# Altium PCB Master Board.PcbDoc (continued)
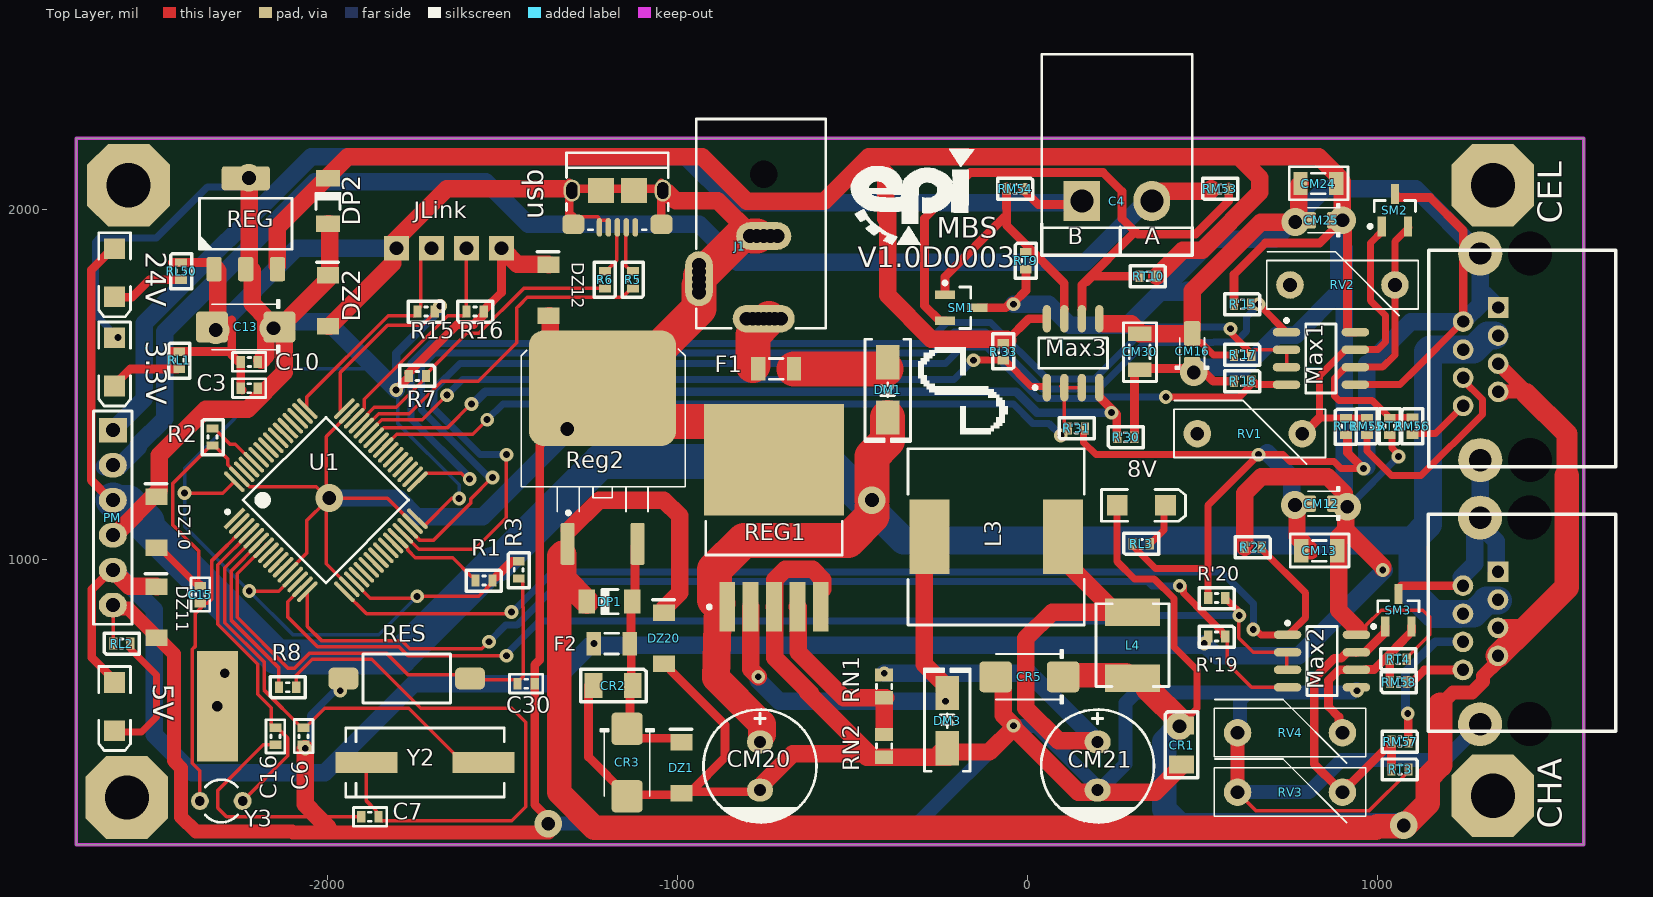
[diagram p0: Top Layer view]
## Footprints (in the part's own frame and the unit in brackets; to place one, negate y for a bottom-side part, rotate by r counter-clockwise, add the part's x,y. Pads: shape width x height; smd on the part's side, far side on the other; paste and mask are expansions set on the pad) (continued)
  oval 2x4.5 hole 1: 1(14.5,0)
  oval 2x4 hole 1: 2(8.5,0)
  oval 4x2 hole 1: 3(11.6,-4.7)
  round 1.9 hole 2: MH(4,0)
  silkscreen extent 0,-4.9 15.2,4.5, body extent 0,-4.9 15.2,4.5, height 11
"RES 0603 (1608X06L)" [mm] "Chip Resistor, 2-Leads, Body 1.6x0.8mm, IPC High Density _ (0.063W)"
  rect 0.6x0.85 smd: 1(0,0) 2(1.244,0)
  silkscreen extent -0.64,-0.76 1.91,0.76, body extent -0.14,-0.38 1.38,0.38, height 0.45
"RES 0805 (2012X06L)" [mm]
  rect 0.95x1.3 smd: 1(0,0) 2(1.65,0)
  silkscreen extent 0.67,-0.55 0.97,0.55, body extent -0.19,-0.63 1.84,0.64, height 0.6
SMD_CAP_0603 [mm]
  rect 0.6x0.85 smd: 1(-0.622,0) 2(0.622,0)
  silkscreen extent -1.21,-0.67 1.2,0.68, body extent -0.76,-0.38 0.76,0.38, height 0.6
SMD_CAP_1206 [mm]
  rect 1.05x1.7 smd: 1(0,0) 2(2.596,0)
  silkscreen extent -0.85,-1.22 3.41,1.18, body extent -0.22,-0.77 2.82,0.75, height 0.75
SO8_NARROW_N [mm]
  oval 2x0.6 smd: 1(-2.5,1.905) 2(-2.5,0.635) 3(-2.5,-0.635) 4(-2.5,-1.905) 5(2.5,-1.905) 6(2.5,-0.635) 7(2.5,0.635) 8(2.5,1.905)
  silkscreen extent -2.62,-2.5 1.1,2.88, body extent -3.12,-2.39 3.07,2.44, height 1.7
SOT23_BEC_M [mm] "SOT23, 3-Leads, Body 2.9x1.3mm, Pitch 0.95mm, Lead Span 2.4mm, IPC Low Density"
  rect 1.45x0.6 smd: 1(-1.175,0.95) 2(-1.175,-0.95) 3(1.175,0)
  silkscreen extent -1.3,-1.5 0.7,1.92, body extent -1.23,-1.45 1.07,1.45, height 1
SOT223 [mm] "SOT223 /SC-73"
  round 1 on Mech15: 0(0,0)
  rrect25% 1.75x1.1 smd: 1(-3.3,2.3) 2(-3.3,0) 3(-3.3,-2.3)
  rrect25% 1.75x3.5 smd: 4(3.3,0)
  silkscreen extent -1.85,-3.35 1.85,3.35, body extent -3.65,-3.35 3.65,3.35, height 1.8
"TE FSMSMTR" [mm]
  rrect50% 1.6x2.19 smd: 1(0,4.595) 2(0,-4.595)
  silkscreen extent -1.78,-3.17 1.78,3.17, body extent -1.75,-4.98 1.75,4.98, height 4.42
TO-263-5 [mm]
  rect 3.6x1.15 smd: 1(-6.45,3.4) 2(-6.45,1.7) 3(-6.45,0) 4(-6.45,-1.7) 5(-6.45,-3.4)
  rect 8.1x10.15 smd paste-5: 6(4.2,0)
  silkscreen extent -6.6,-4.95 -0.25,4.95, body extent -7.31,-5.08 7.33,5.08, height 4.57
"Varistor Short Hieght - Vertical" [mm]
  round 2 hole 1: 1(3.81,0) 2(-3.81,0)
  silkscreen extent -5.5,-2.41 5.5,2.22, body extent -5.5,-1.78 5.5,1.74, height 12
"XTAL RTC - Right" [mm]
  round 1.3 hole 0.7: 1(0,1.55) 2(0,-1.55)
  rect 8x3 hole 0.762 unplated: 3(6.878,0.276)
  silkscreen extent -1.55,-1.19 1.55,1.17, body extent -0.54,-1.44 10.23,2.01, height 3.1

## Part data
3.3V 5V 8V 24V: library part LED, "Chip LED"
C3 C10: library part Cap-Bipolar, "Bipolar Capacitor", Voltage=35V, Price=2800
C4: "Header, 2-Pin", LatestRevisionDate=17-Jul-2002, LatestRevisionNote="Re-released for DXP Platform.", Publisher="Altium Limited", system=connector
C6 C7 C15 C16 C30 CM13 CM24 CM30: library part Cap-Bipolar, "Bipolar Capacitor", Voltage=100V
  C6 C7: ComponentLink1Description="Buy Link", ComponentLink1URL=http://nikushop.com/index.php?id_product=9033&controller=product, Price=902
  C15 C16: ComponentLink1Description="Buy Link", ComponentLink1URL=http://nikushop.com/index.php?id_product=9021&controller=product&search_query=10PF-0603&results=1, Price=1173
  C30: ComponentLink1Description="Buy Link", ComponentLink1URL=http://nikushop.com/index.php?id_product=13570&controller=product&search_query=1uF-0603&results=1, Price=2346
  CM13 CM24 CM30: Adding Date=1387/12/20, Designer="Saeid Jorablo", Organazation=ControTec
C13: library part Cap-Polar, "Polar Capacitor", Voltage=6V, Price=0
CM12 CM16 CM25 CR3 CR5: library part Cap-Polar, "Polar Capacitor", Voltage=16V, Adding Date=1387/12/20, Designer="Saeid Jorablo", Organazation=ControTec
CM20: library part Cap-Polar, "Polar Capacitor", Voltage=63V, Adding Date=1387/12/20, Designer="Saeid Jorablo", Organazation=ControTec
CM21: library part Cap-Polar, "Polar Capacitor", Voltage=25V, Adding Date=1387/12/20, Designer="Saeid Jorablo", Organazation=ControTec
CR1 CR2: library part Cap-Bipolar, "Bipolar Capacitor", Voltage=50V, Price=753
DM1 DM3 DP1 DP2: library part "Diode 1N4148", "High Conductance Fast Diode", Code_JEDEC=DO-204-AH, ComponentLink1Description="Manufacturer Link", ComponentLink1URL=http://www.fairchildsemi.com/, ComponentLink2Description=Datasheet, ComponentLink2URL=http://www.fairchildsemi.com/ds/1N%2F1N4148.pdf, DatasheetVersion=1997, LatestRevisionDate=17-Jul-2002, LatestRevisionNote="Re-released for DXP Platform.", PackageDescription="Diode, Axial; Body 3.8 x 1.9 mm (LxDia. max), Lead Dia. 0.53 mm (max)", PackageReference=DO-35, Published=8-Jun-2000, Publisher="Altium Limited"
DZ1 DZ2 DZ10 DZ11 DZ12 DZ20: library part "D Zener", "Zener Diode", Voltage=5.1, Price=1840
F1 F2: library part "Fuse 2", "Fuse", Current=0.5A, LatestRevisionDate=17-Jul-2002, LatestRevisionNote="Re-released for DXP Platform.", PackageDescription="Thru-Hole; 2 Leads", PackageReference=PIN-W2/E2.8, Published=8-Jun-2000, Publisher="Altium Limited"
JLink: library part "Header 1*4"
Max1 Max2 Max3: library part MAX485CPA, Price=14700
PM: "Header, 6-Pin", LatestRevisionDate=17-Jul-2002, LatestRevisionNote="Re-released for DXP Platform.", Publisher="Altium Limited"
R1 R2 R3 R5 R6 R7 R15 R16: library part Resistor, "Resistor", ComponentLink1Description="Buy Link"
  R1 R2 R3 R15 R16: ComponentLink1URL=http://www.roboeq.ir/products/detail/%D9%85%D9%82%D8%A7%D9%88%D9%85%D8%AA%2010%20%DA%A9%DB%8C%D9%84%D9%88%20%D8%A7%D9%87%D9%85%20SMD%200603/, Price=394
  R5 R6: ComponentLink1URL="20R Resistor R5, R6 RES 0603 (1608X06L) Resistor 2 276 552 http://nikushop.com/index.php?id_product=13587&controller=product", Price=276
  R7: ComponentLink1URL=http://kaelectronic.ir/index.php?route=product/product&product_id=6863&search=15kohm+0603, Price=597
R8 R'15 R'17 R'18 R'19 R'20 R'22 R'30 R'31 R'33 RL1 RL2 RL3 RL50 RM53 RM54 RM55 RM56 RM57 RM58 RN1 RN2 RT1 RT2 RT3 RT4 RT9 RT10: library part Resistor, "Resistor", Power=1/4W
  R'15 R'17 R'18 R'19 R'20 R'22 R'30 R'31 R'33 RM53 RM54 RM55 RM56 RM57 RM58 RT1 RT2 RT3 RT4 RT9 RT10: Price=394
  RN1: Price=506
  RN2: Price=680
REG: library part REG1117A-2.5/2K5, ")", ComponentLink1Description="Manufacturer URL", ComponentLink1URL=http://www.ti.com/, ComponentLink2Description=Datasheet, ComponentLink2URL=http://www.ti.com/general/docs/lit/getliterature.tsp?genericPartNumber=REG1117A-25&fileType=pdf, ComponentLink3Description="Package Specification", ComponentLink3URL=http://www.ti.com/litv/pdf/mpds094a, Price=4200
REG1: library part LM2596, Price=5700
Reg2: "Voltage Regulator IC, D2PAK SMD, L7805", Manufacturer 1="ON Semiconductor", Package / Case=D2PAK, Ratings="40V; 1.5A", Supplier Part Number 1=LM317D2TGOS-ND, Tolerance=0.04%, Voltage Regulator Type="Adjustable Positive Linear", Manufacturer Part Number 1=L7805, SCDType=spec*, Supplier 1=Digi-Key
RES: library part "SPST-NO 2 PIN", ComponentLink1Description="Buy Link", ComponentLink1URL=https://eshop.eca.ir/%D8%AA%DA%A9-%D8%B3%D9%88%D8%A6%DB%8C%DA%86/6472-%D8%AA%DA%A9-%D8%B3%D9%88%D8%A6%DB%8C%DA%86-smd-%D8%B3%D8%A7%DB%8C%D8%B2-3x6x25-%D8%B2%D8%B1%D8%AF-%D8%A8%D8%B3%D8%AA%D9%87-10-%D8%AA%D8%A7%DB%8C%DB%8C.html, Price=1900
RV1 RV2 RV3 RV4: library part "Res Varistor", "Varistor (Voltage-Sensitive Resistor)", Code_IPC=RESC2012, LatestRevisionDate=29-May-2009, LatestRevisionNote="IPC-7351 Footprint Added.", PackageDescription="Chip Resistor 0805 Case Size", PackageReference=6-0805, PackageVersion=Mar-2003, Published=24-Mar-1999, Publisher="Altium Limited"
U1: library part STM32F101R6T6, "STM32 ARM-based 32-bit MCU with 32 Kbytes Flash, 64-pin LQFP, Industrial Temperature", ComponentLink1Description=datasheet, ComponentLink1URL=https://www.st.com/resource/en/datasheet/cd00191185.pdf, ComponentLink2Description="Buy Link", ComponentLink2URL=http://lionelectronic.ir/content/stm32f103ret6, Price=245000
usb: library part "USB 2.0 Type B Micro", ComponentLink1Description="Buy Link", ComponentLink1URL=http://nikushop.com/index.php?id_product=11066&controller=product, Price=14934
Y2 Y3: library part XTAL, "XTAL Crystal"
  Y2: Price=20000
  Y3: ComponentLink1Description="Buy Link", ComponentLink1URL=http://www.roboeq.ir/products/detail/%DA%A9%D8%B1%DB%8C%D8%B3%D8%AA%D8%A7%D9%84%2032.768%20%DA%A9%DB%8C%D9%84%D9%88%D9%87%D8%B1%D8%AA%D8%B2/, Price=5900
J1: Adding Date=10/21/2009, Company=Personal, Designer="Saeid Jorablo", Project Name=Laser
L3 L4: Code_IEC=1005, Code_JEITA=0402, LatestRevisionDate=29-May-2009, LatestRevisionNote="IPC-7351 Footprint Added.", PackageDescription="Chip Inductor", PackageReference=0402-A, Published=8-Jun-2000, Publisher="Altium Limited"

## Free pads (board coordinates)
  oct 236.22x236.22 hole 125.98: 0(-2575,320) 0(-2570,2070) 0(1330,325) 0(1330,2070)

## Via types
v1: diameter 39.37, hole 19.68, Top Layer to Bottom Layer, 40 vias
v2: diameter 78.74, hole 39.37, Top Layer to Bottom Layer, 14 vias
v3: diameter 50, hole 28, Top Layer to Bottom Layer, 1 vias

## Nets (pads, with @x,y where several pads share a name; then routed paths per layer and width w, separated by ;. In a path a pad name is that pad's centre, name@x,y a point inside that pad or via, vN(x,y) a via of type N, cw(c..) or ccw(c..) an arc to the next point about the centre after c; other vN are vias at no path point)
3.3v: 3.3V.1 C3.2 C10.2 C13.1 DP2.1 DZ2.2 DZ10.2 DZ12.2 JLink.4 PM.4 R1.1 R3.1 R7.2 R15.1 R16.2 REG.2 REG.4 U1.13 U1.19 U1.32 U1.48 U1.64 | length 7557.3
  Top Layer w10: v1(-2410,1190) -2300.48,1190 U1.64 ; v1@-2220,910 -2141.12,910 -2101.05,950.07 U1.13 ; U1.48@-1965,1425 -1965,1534.72 -1829.72,1670 -1730,1670 -1701.81,1698.19 -1701.81,1703.19 R15.1@-1695,1710 ; U1.19 -1879.02,890 v1@-1730,890 ; v1(-1745,895) -1569.49,895 R1.1@-1526.95,937.54 ; U1.32 -1724.68,1097.57 -1723.5,1097.57 -1646.07,1175 v1(-1625,1175)
  Top Layer w25: v1@-1804.92,1489.92 -1800.53,1489.92 R7.2@-1768.99,1521.46 ; R7.2@-1770,1532.36 -1630.47,1671.89 -1583.79,1671.89 -1571.85,1683.82 -1571.18,1683.82 -1555.05,1699.95 R16.2 ; R16.2@-1554.36,1713.22 -1504.13,1763.45 JLink.4@-1504.13,1885 ; R1.1@-1520,950 -1475,995 R3.1
  Top Layer w50: PM.4 -2610,1070 -2482.21,1197.79 -2482.21,1297.82 -2350.03,1430 -2230,1430 -2125,1535 C13.1@-2125,1625 ; REG.2@-2225,1815 -2225,2084.92 REG.4@-2220,2089.92 ; REG.2@-2220,1830.08 -2216.65,1826.73 -2216.65,1730.71 C13.1@-2175,1689.06 ; C10.2@-2190,1570 -2177.87,1582.13 C13.1@-2177.87,1677.87 ; C13.1@-2136.57,1665 -2000,1801.57 DZ2.2@-2000,1805 ; DP2.1 -1996.38,1960.04 -1995,1958.66 DZ2.2@-1995,1825 ; JLink.4@-1510,1885 -1504.13,1885 -1499.13,1885 -1458.34,1844.21 -1370.88,1844.21 DZ12.2
  Bottom Layer w10: v1(-1745,895) -1855,785 -2100,785 v1(-2225,910) -2410,1095 v1(-2410,1190) -2410,1260 -2125,1545 -1870,1545 -1800,1475 -1800,1388.95 -1625,1213.95 v1(-1625,1175)
  Bottom Layer w20: v1@-2590,1625 v1(-2600,1635) -2665,1700 -2665,1908.28 -2653.28,1920 -2490,1920 -2345,2065 -2240,2065 v2@-2215,2090
  Bottom Layer w25: v1(-1805,1485) -1805,1589.13 v1@-1674.56,1719.56
  Bottom Layer w50: v2@-2170,1680 -2000,1680 v1(-1805,1485)
  other v1: -1680,1725
  other v2: -2156.08,1661.08 -2226.08,2091.08
8V: 8V.1 CEL.5 CEL.7 CHA.5 CHA.7 CR1.1 CR5.1 DP1.2 DZ20.2 L4.2 Reg2.1 | length 7807.9
  Top Layer w20: 8V.1 256.1,993.9 305,945 361.88,945 418.44,888.44 418.44,750.63 484.57,684.5 484.57,574.57 CR1.1@445,535
  Top Layer w40: 1190,595 1215.32,620.32 1270.32,620.32 1301.85,651.85 1301.85,666.85 1344.45,709.45 CHA.7 ; CEL.5 1425,1480 1365,1480 CEL.7@1360,1475 ; CHA.5@1360,810 1429.72,810
  Top Layer w50: Reg2.1@-1310,1085 -1225,1170 -1040,1170 -995,1125 -995,905 DZ20.2@-1040,860
  Top Layer w60: 1425,1475 1541.15,1358.85 1541.15,1240.29
  Top Layer w70: Reg2.1@-1330,1020 -1339.57,1010.43 -1339.57,334.57 -1238.66,233.66 995.28,233.66 999.95,238.33 v2@1076.67,238.33 ; Reg2.1@-1325,1015 -1325,945.04 DP1.2 ; CR5.1 106.46,670 L4.2@280,670 ; L4.2 L4.2@339.37,661.02 ; L4.2@340,660 340.39,660 343.74,656.65 343.74,631.34 CR1.1@440,535.08 ; v2@1077.5,237.5 1143.68,303.68 1143.68,376.48 1180,412.8 1180,585 ; CHA.7 1429.72,810 1541.15,921.43 1541.15,1240.29
  Bottom Layer w70: v2@425,515 390,480 390,286.01 436.01,240 v2(1075,240)
  other v2: 433.92,523.58
24V: 24V.1 CEL.3 CEL.4 CHA.3 CHA.4 CM20.1 DM1.2 PM.3 REG1.1 | length 7524.4
  Top Layer w25: PM.3@-2620,1160 -2620,1170 -2676.94,1226.94 -2676.94,1828.06 24V.1@-2615,1890
  Top Layer w80: -885,875 -885.24,866.44 -890.96,660.96 -760,530 CM20.1@-760,500
  Top Layer w100: -885,875 -895,885 -895,971.42 -811.42,1055 -513.9,1055 -445,1123.9 v2@-445,1150 ; v2(-445,1170) -445,1295 -400,1340 DM1.2
  Bottom Layer w80: v2@-445,1140 v2@-445,1150 ; v2@-440,1140 -355,1055 1100,1055 ; CHA.4@1235,845 1160,845 1100,905 1100,1055 ; CHA.4 1275.14,845.2 1312.39,882.44 CHA.3@1345,882.44 ; CEL.3@1335,1640 1313.99,1640 1274.15,1600.16 CEL.4 1150.16,1600.16 1145,1595 1145,1100 1100,1055
  Bottom Layer w100: PM.3 -2607.87,1162.87 -2571.53,1162.87 -2517.13,1108.47 -2517.13,1092.44 -2146.81,722.13 -1794.41,722.13 -1531.1,985.43 -1514.88,985.43 -1220.31,1280 -575,1280 v2@-450,1155
485+_CommEl: Max1.6 RM56.1 RT2.2 RV2.2 SM2.2 | length 954.9
  Top Layer w20: RT2.2@1030,1410 985,1455 890,1455 877.15,1467.85 877.15,1517.85 909.29,1550 Max1.6 1015,1550 1050,1585 1050,1610 ; RT2.2@1030.5,1405.5 1099.5,1405.5 RM56.1 ; 1050.66,1610.66 1050.66,1708.76 ; SM2.2@1090,1950 1050,1910 RV2.2 ; RV2.2 1050,1709.42 1050.66,1708.76 ; RV2.2 1050.66,1784.34 1050.66,1708.76
485+_CommHa: Max2.6 RM58.1 RT4.1 RV4.2 SM3.2 | length 488.2
  Top Layer w25: RV4.2 889.72,515.28 889.72,550.28 860,580 860,655 890,685 Max2.6@913.13,685 ; Max2.6@966.87,685.69 990.69,685.69 1054.78,749.78 1054.78,750.77 1097.4,793.39 SM3.2 ; RM58.1@1035,645 RT4.1@1035,710
485+_CommMon: Max3.6 RM53.2 RT10.2 SM1.2 | length 1878.7
  Top Layer w25: SM1.2 -251.61,1682.6 -295,1725.98 -295,1975 -163.25,2106.75 215.36,2106.75 270,2052.11 270,1975 310,1935 ; Max3.6@155.69,1715.3 155.69,1785.69 305,1935 ; 170,1795 185,1810 RT10.2 ; 315,1930 480,1930 575,2025 RM53.2@575,2065
485-_CommEl: Max1.7 RM55.2 RT1.1 RV1.2 SM2.1 | length 956.6
  Top Layer w20: RV1.2 793.1,1360 RV1.2@800,1366.9 ; RV1.2@800,1360 RV1.2@800,1366.9 ; RT1.1 838.1,1405 RV1.2@800,1366.9 ; RT1.1@915,1405 RM55.2 ; SM2.1@1015,1940 980,1905 980,1740 1022.79,1697.21 1022.79,1622.21 1001.27,1600.69 937.55,1600.69 Max1.7 909.29,1600 835,1525.71 835,1410 800,1375 RV1.2@800,1366.9
485-_CommHa: Max2.7 RM57.2 RT3.2 RV3.2 SM3.1 | length 859.8
  Top Layer w25: RV3.2@885,350 819.61,415.39 819.61,661.1 876.38,717.87 896.69,717.87 913.82,735 Max2.7 Max2.7@939.31,734.31 ; RV3.2@905,360 923.54,360 RM57.2@1040,476.46 ; RV3.2@915,325 RV3.2@924.54,325 ; Max2.7@966.87,735 966.87,736.87 1021.91,791.91 1021.91,808.05 SM3.1 ; RT3.2 RM57.2@1040,476.46 ; RM57.2 RM57.2@1040,476.46
485-_CommMon: Max3.7 RM54.2 RT9.1 SM1.1 | length 712.2
  Top Layer w25: SM1.1 -236.26,1808.74 -65,1980 ; -60.69,2005 -60.69,2060 -60.69,2064.31 RM54.2@-60,2065 ; -60,2005 -60,1980 -60,1955 -10.5,1905.5 105,1790 105,1715.99 Max3.7@105.69,1715.3
A0: U1.14
A1: Max2.2 Max2.3 R'20.1 U1.15 | length 3260.5
  Top Layer w10: U1.15 -2115,879.95 -2115,835.86 -2029.89,750.75 -1796.85,750.75 -1771.1,725 v1(-1490,725) ; v1@600,840 604.01,835.99 604.01,775.99 645,735 Max2.2 ; Max2.2@740,730 740,688.15 Max2.3
  Top Layer w20: R'20.1 565,885.08 566.81,883.27 571.73,883.27 v1@615,840 ; Max2.2 Max2.2@746.57,735
  Bottom Layer w20: v1@-1490,730 -1395,825 355,825 370,840 v1(605,840)
A2: Max2.4 R'19.1 U1.16 | length 3182.4
  Top Layer w10: U1.16 -2058.8,808.8 -2018.62,768.62 -1789.44,768.62 -1765.82,745 -1560,745 v1(-1540,765) ; R'19.1@560,780 570,770 570,705 640,635 Max2.4
  Top Layer w20: v1@445,925 445,904.92 514.92,835 564.96,784.96 R'19.1@560,780
  Bottom Layer w20: v1(-1540,765) -1492.56,812.44 -1459.44,812.44 -1334.76,937.13 342.87,937.13 355,925 v1(435,925)
A3: Max2.1 R'22.1 U1.17 | length 3209
  Top Layer w10: U1.17 -1889.7,845 -1480,845 v1(-1475,850)
  Top Layer w20: v1@641.57,810 641.82,810 666.82,785 Max2.1 ; R'22.1 668.99,1030.08 795,904.07 795,835 Max2.1@750,790
  Bottom Layer w20: v1(-1475,850) -1472.48,850 -1357.48,965 470,965 ; 475,965 555,965 645,875 v1(645,800)
A4: U1.20
A5: U1.21
A6: U1.22
A7: U1.23
A8: U1.41
A9: Max3.4 R'30.1 U1.42 | length 2349.8
  Top Layer w10: U1.42 -1869.01,1348.17 -1840.48,1376.69 -1658.31,1376.69 v1(-1590,1445) v1@-1590,1450
  Top Layer w25: Max3.4 205,1465.39 255,1415.39 R'30.1@255,1355
  Bottom Layer w25: v1@-1587.5,1442.5 -1550,1480 -32.96,1480 27.04,1420 v1(240,1420)
A10: Max3.1 R'33.1 U1.43 | length 2057.4
  Top Layer w10: U1.43 -1882.92,1362.09 -1845.76,1399.25 -1730.75,1399.25 v1(-1660,1470) v1@-1655,1475 ; Max3.1@50,1495 Max3.1@55,1495
  Top Layer w20: v1@-149.76,1570 R'33.1 -65.08,1570 9.92,1495 Max3.1@50,1495
  Bottom Layer w20: v1(-1660,1470) -1615,1515 -210,1515 v1(-155,1570)
A11: R5.1 U1.44 | length 974
  Top Layer w10: U1.44@-1886.03,1386.03 -1854.93,1417.13 -1767.87,1417.13 -1675,1510 -1570,1510 -1460,1620 -1460,1720 -1455,1725 ; -1452.5,1727.5 -1430,1750 -1158.14,1750 -1133.14,1775 R5.1
A12: R6.1 R7.1 U1.45 | length 866.3
  Top Layer w10: U1.45@-1913.73,1388.73 -1867.46,1435 -1805.08,1435 -1720,1520.08 R7.1 ; R7.1@-1720,1530 -1719.92,1530 -1603.41,1646.51 -1568.49,1646.51 -1440,1775 R6.1
A15: U1.50
B0: U1.26
B1: U1.27
B3: U1.55
B4: U1.56
B5: U1.57
B6: U1.58
B7: U1.59
B8: U1.61
B9: U1.62
B10: Max1.4 R'18.1 U1.29 | length 3419
  Top Layer w10: U1.29 -1785.49,1075.35 -1740.14,1030 -1580,1030 -1490,1120 v1(-1490,1300)
  Top Layer w20: v1(395,1465) 605,1465 638.99,1498.99 R'18.1 ; R'18.1@645,1510 655,1500 Max1.4
  Bottom Layer w20: v1(-1490,1300) -1565.58,1300 -1697.56,1431.98 -1697.56,1485.56 -1623.12,1560 -235,1560 -187.44,1607.56 -117.56,1607.56 30,1460 214.42,1460 219.42,1465 386.05,1465 v1@390,1461.05
B11: Max1.1 R'15.1 U1.30 | length 3488
  Top Layer w10: U1.30 -1771.57,1089.27 -1737,1054.7 -1699.26,1054.7 -1592.44,1161.51 -1592.44,1172.56 v1(-1530,1235)
  Top Layer w20: v1@660,1725 661.29,1726.29 v1@663.71,1726.29 ; v1(660,1730) v1@663.71,1726.29 ; Max1.1 v1@663.71,1726.29
  Bottom Layer w20: v1(-1530,1235) -1540,1235 -1732.87,1427.87 -1732.87,1552.13 -1695,1590 -270,1590 -210,1650 -120.58,1650 41.55,1487.87 202.87,1487.87 335,1620 530.12,1620 532.56,1622.44 595.56,1622.44 625.93,1652.81 625.93,1693.81 660,1727.88 v1(660,1730)
B12: Max1.2 Max1.3 R'17.1 U1.33 | length 3350.6
  Top Layer w10: U1.33 -1720.56,1246.56 -1619.5,1246.56 -1602.95,1230 v1(-1595,1230) ; v1@585,1665 v1@592.95,1665 ; R'17.1@640,1588.91 640,1590.93 649.07,1600 Max1.2 Max1.3
  Top Layer w20: v1(580,1660) 583.71,1656.29 583.71,1645.21 640,1588.91 R'17.1@640,1585
  Bottom Layer w20: v1@-1592.5,1232.5 -1762.13,1402.13 -1762.13,1562.29 -1706.55,1617.87 -290,1617.87 -230,1677.87 -106.06,1677.87 56.06,1515.75 191.33,1515.75 340.58,1665 575,1665 v1(580,1660)
B13: U1.34
B14: U1.35
B15: U1.36
BOOT0: R2.1 U1.60 | length 140.3
  Top Layer w10: R2.1 -2325.08,1375 -2280.08,1330 -2264.62,1330 U1.60@-2224.81,1290.19
BOOT1: R1.2 U1.28 | length 305.5
  Top Layer w10: U1.28@-1819.88,1080.12 -1800.54,1060.79 -1771.37,1031.62 -1771.37,1026.37 -1750,1005 -1643.4,1005 -1590.13,951.73 -1585.21,951.73 -1578.4,944.92 R1.2
C0: U1.8
C1: U1.9
C2: U1.10
C3: U1.11
C4: U1.24
C5: U1.25
C6: U1.37
C7: U1.38
C8: U1.39
C9: Max3.2 Max3.3 R'31.1 U1.40 | length 2227.6
  Top Layer w10: U1.40 -1803.17,1358.82 -1586.18,1358.82 v1(-1545,1400) -1540,1405 v1@-1535,1405 ; Max3.2@95,1495 105,1485 R'31.1@105,1360 ; Max3.2 148.71,1491.57 150,1490.28 Max3.3@150,1485
  Bottom Layer w20: v1(-1545,1400) -1500,1445 -40.91,1445 14.46,1389.63 60.37,1389.63 v1(95,1355)
C10: U1.51
C11: U1.52
C12: U1.53
C13: U1.2
C14: C15.2 U1.3 Y3.1 | length 893.4
  Top Layer w10: Y3.1 -2366.02,396.21 -2387.81,417.99 -2387.81,743.62 -2380,751.42 -2380,845 -2350,875 -2345,875 -2332.87,887.13 -2332.87,996.15 U1.3 -2240.24,1089.27 -2268.77,1060.74
C15: C16.2 U1.4 Y3.2 | length 948.7
  Top Layer w10: Y3.2 -2115,438.98 -2115,490 -2123.54,498.54 -2124.13,498.54 -2145,519.42 -2145,519.5 C16.2@-2145,525 ; U1.4@-2222.45,1077.45 -2315,984.9 -2315,814.67 -2200.65,700.32 -2200.65,615.11 -2161.73,576.19 -2161.73,526.31 -2154.92,519.5 C16.2
ChA_Elevator: CEL.8 RM56.2 | length 172.9
  Top Layer w20: RM56.2@1105,1360 1165.47,1360 CEL.8
ChA_Hall: CHA.8 RM58.2 | length 158.8
  Top Layer w25: 1100,650 1134.57,684.57 CHA.8
ChA_Mon: C4.2 PM.2 RM53.1 | length 3838.8
  Top Layer w50: C4.2@355,2045 362.5,2052.5 520.67,2052.5 525,2056.83 RM53.1
  Bottom Layer w50: PM.2@-2640,1265 -2615,1265 -2598.51,1265 -2542.13,1321.38 -2542.13,1327.87 -2467.13,1402.87 -2467.13,1651.03 -2038.15,2080 -1549.08,2080 -1427.38,1958.31 -938.31,1958.31 -830,1850 165,1850 355,2040 C4.2@355,2045
ChB_Elevator: CEL.6 RM55.1 | length 599.3
  Top Layer w20: RM55.1@970,1350 970,1310 1040,1240 1125,1240 1300,1415 1300,1457.65 1245,1512.65 CEL.6 ; CEL.6@1235,1509.84 CEL.6@1235,1510
ChB_Hall: CHA.6 RM57.1 | length 404.3
  Top Layer w25: v1@1085,555 1086.67,555 1088.3,553.36 1088.3,480.69 RM57.1
  Bottom Layer w25: v1@1085,555 1080,560 1080,680 1164.88,764.88 CHA.6
  other v1: 1086.57,560
ChB_Mon: C4.1 PM.1 RM54.1 | length 3496.1
  Top Layer w25: RM54.1@-15,2060 30,2015 125,2015 155,2045 C4.1@140,2060
  Bottom Layer w50: PM.1@-2605,1380 -2600,1380 -2600,1385 -2525,1460 -2525,1675 -2047.87,2152.13 -977.13,2152.13 -845,2020 130,2020 C4.1@155,2045
D2: U1.54
GND: C3.1 C6.2 C7.2 C10.1 C13.2 C15.1 C16.1 C30.2 CEL.1 CEL.2 CEL.9 CHA.1 CHA.2 CHA.9 CM12.2 CM13.2 CM16.2 CM20.2 CM21.2 CM24.2 CM25.2 CM30.2 CR1.2 CR2.2 CR3.2 CR5.2 DM3.1 DZ1.1 DZ2.1 DZ10.1 DZ11.1 DZ12.1 DZ20.1 J1.2 J1.3 JLink.1 Max1.5 Max2.5 Max3.5 PM.6 R2.2 R'17.2 R'20.2 R'31.2 REG1.3 REG1.5 REG1.6 Reg2.4 REG.1 RES.1 RL1.1 RL2.1 RL3.1 RL50.1 RN2.2 RT1.2 RT3.1 RT9.2 RV1.1 RV2.1 RV3.1 RV4.1 SM1.3 SM2.3 SM3.3 U1.12 U1.18 U1.31 U1.47 U1.63 usb.4 usb.5 usb.S | length 26625.2
  Top Layer w10: RL2.1@-2615,750 -2614.5,750.5 PM.6@-2614.5,860 ; C15.1@-2370,930.43 -2370,1025 -2414.82,1069.82 -2415.18,1069.82 -2421.31,1075.94 -2421.31,1076.31 -2444.34,1099.34 -2444.34,1216.59 -2334.92,1326.01 R2.2 -2325.08,1326.01 -2286.78,1287.71 -2286.78,1271.2 U1.63@-2255.29,1239.71 ; U1.63 -2253.18,1236.81 -2224.66,1208.29 -2033.29,1208.29 -2005,1180 -2005,1351.86 U1.47 ; C16.1 -2184.5,470.5 -2315,340 -2315,290 -2290,265 -2030,265 C7.2 ; U1.12@-2109.88,969.88 -2060,1019.75 -2060,1112.16 v2@-2005,1167.16 ; v1(-2065,460) C6.2@-2065,480 ; v2@-1996.08,1175 -1829.95,1175 U1.31 ; v2(-1996.08,1176.08) v2@-2005,1167.16 ; RES.1@-1960,667.52 RES.1@-1960,675 ; U1.18 -2005,988.14 v2@-2005,1167.16 ; usb.S@-1294.49,1980.51 -1228.84,1980.51 -1226.18,1977.86 usb.5@-1226.18,1971.65 ; usb.5@-1226.18,1970 -1202.24,1970 usb.4@-1200.59,1971.65 ; RV3.1@620,320 620,315 652.24,282.76 976.67,282.76 1088.99,395.08 RT3.1
  Top Layer w20: DZ10.1 -2482.13,1034.33 -2377.8,930 C15.1@-2365,930 ; R'31.2@160,1375 160,1335 195,1300 v1(660,1300) ; RL3.1 300,1040.08 365.08,975 500,975 510,965 510,960 ; CM16.2 470,1634.37 483.62,1620.75 495.43,1620.75 531.18,1585 R'17.2@585,1585 ; R'20.2 516.01,1113.99 515,1115 515,1155 v1@655,1295 ; v1@660,1295 665,1300 730.04,1300 750,1280.04 875.59,1280.04 895.63,1260 v1(960,1260) ; Max1.5 1065,1500 1109.53,1544.53 1109.53,1545 1235,1670.47 CEL.2@1235,1675 ; CEL.2@1235,1680 CEL.2@1235,1675 ; CEL.2@1245,1685 CEL.2@1235,1675
  Top Layer w25: -2450,1595 -2275,1595 ; -2445,1850 -2444.31,1849.31 -2319.7,1849.31 -2310,1839.61 REG.1@-2310,1835 ; -2275,1685 -2275,1595 ; C10.1@-2255,1565 -2275,1585 -2275,1595 ; C10.1 C3.1 -2249.5,1489.5 C3.1@-2245,1485 ; Reg2.4@-1369.51,1615.49 -1369.51,1609.51 Reg2.4@-1360,1600 ; v2@-1365,255 -1408.97,298.97 C30.2 -1408.97,699.23 -1394.94,713.26 -1394.94,1327.19 Reg2.4@-1347.13,1375 ; usb.S@-1310,2076.97 -1310,1989.53 usb.S@-1300.98,1980.51 ; usb.S@-1304.84,2055 -1304.84,2055.18 -1300.02,2060 usb.S@-1050,2060 ; CR2.2@-1255,640 -1255,435.51 -1145,325.51 CR3.2 -1140.69,327.85 -992.15,327.85 DZ1.1@-990,330 ; usb.S@-1049.02,1980.51 -1047.05,1982.48 usb.S@-1047.05,2076.97 ; DZ20.1 -1031.63,702.16 -1020.51,691.04 -1020.51,683.17 -865,527.66 -865,435 DZ1.1@-963.37,336.63 ; DZ1.1 -985.04,336.63 DZ1.1@-963.37,336.63 ; CM20.2@-765,345 -773.37,336.63 DZ1.1@-963.37,336.63 ; SM1.3@-140,1720 -62.2,1720 v1@-43.6,1738.6 ; v1@-40,1735 -38.89,1735 -5,1768.89 RT9.2 ; RT1.2 913.54,1356.01 914.23,1355.32 914.23,1305.77 v1(960,1260) ; SM2.3@1055,2040 1060,2035 1150,2035 1245,1940 CEL.2@1245,1685 ; SM3.3@1060.69,917.3 1068.9,925.51 CHA.2
  Top Layer w40: PM.6@-2600,860 -2570,860 -2440,730 -2440,425 -2419.49,404.49 -2419.49,264.49 -2377.87,222.87 -2102.31,222.87 -2099.83,220.39 v2@-1369.61,220.39 ; RV4.1@595,490 597.1,490 600,487.1 RV3.1
  Top Layer w50: REG.1@-2315,1825.63 -2315,1692.8 C13.2@-2307.2,1685 ; v1(-2065,460) -2065,300 -2030,265 -2000,235 -2000,225 ; DZ2.1 -1994.39,1667.16 -1815,1846.55 JLink.1@-1815,1895 ; JLink.1@-1810,1910 -1660,2060 -1326.89,2060 ; Reg2.4@-1370,1615 -1369.51,1615.49 -1364.13,1620.87 -1364.13,1695.79 -1365.51,1697.16 DZ12.1 ; usb.S@-1030,2050 -1006.26,2026.26 -886.26,2026.26 J1.2@-785,1925 ; CM20.2@-755,360 -755.1,360.1 -755.1,361 -671.1,445 -452.4,445 -619.45,612.05 ; -630,625 -630,622.6 -619.45,612.05 ; REG1.5@-585,915 -585,942.84 -614.29,972.13 -693.35,972.13 -722.64,942.84 -722.64,868.07 REG1.3 -722.64,863.35 -722.64,719.84 -619.45,616.65 -619.45,612.05 ; -460,435 -410.04,435 RN2.2 DM3.1@-224.96,435.04 ; DM3.1@-250,450 -110,450 -40,520 145,335 365,335 CR1.2@442.5,412.5 ; CR5.2 -89.49,665 -70.2,645.71 -70.2,555.2 v1(-40,525) ; 218.19,1674.06 295.94,1674.06 CM30.2@320,1650 ; CM30.2 455,1645 470,1660 470,1769.17 665.83,1965 CM25.2@760,1965 ; CM12.2@770,1145 770,1065 810,1025 ; CM25.2@775.67,1970.67 775.67,2070.67 CM24.2
  Top Layer w100: J1.3@-939.41,1783.27 -939.41,1763.58 -939.41,1718.09 -1125,1532.5 -1125,1454.45 -1065,1394.45 -834.45,1394.45 REG1.6 ; J1.3@-935,1810 J1.2@-820,1925 ; J1.2@-785,1925 J1.2@-774.06,1925
  Bottom Layer w20: v1@-2050,465 -2050,555 -1980,625 v1(-1965,625)
  Bottom Layer w40: v2(-1370,245) -315,245 v1@-35,525 ; v1(-40,525) v1@-35,525 ; CM21.2 205,341.1 280,416.1 280,590 310,620 630,620 ; CM21.2@200,350 25,525 v1@-35,525 ; RV4.1@595,505 607.41,517.41 607.41,597.41 630,620 ; RV3.1 804.9,335 897.61,427.7 1191.52,427.7 1270,506.18 CHA.9@1270,530 ; v1@940,630 930,620 630,620
  Bottom Layer w50: v2@-2322.5,1657.5 -2090,1890 JLink.1 JLink.1@-1800,1890 ; v2(-1996.08,1176.08) -1799.75,1176.08 -1746.11,1122.44 -1557.56,1122.44 v2@-1325,1355 ; v1(-40,1730) 60,1730 120,1670 284.95,1670 531.03,1916.08 706.08,1916.08 850,2060 1108.78,2060 1293.82,1874.96 1293.82,1728.82 CEL.2@1250,1685 ; 340,1725 379.5,1764.5 449.5,1764.5 455,1770 ; 685,1305 755,1235 v2@755,1165 ; v1@970,1265 970,1560 ; 975,1560 1095.47,1680.47 CEL.2 ; CHA.2@1240,950 1278.73,988.73 1278.73,1105.46 CHA.9@1290,1116.73 ; CHA.9@1290,1125 CHA.9@1290,1116.73 ; CEL.9@1295,1290 1293.54,1288.54 1293.54,1120.28 1293.27,1120 CHA.9@1290,1116.73 ; 1308.36,1756.64 CEL.1@1340,1725 ; CHA.1 1339.92,970.2 1339.92,1052.79 1290,1102.71 CHA.9@1290,1116.73
  other v1: 941.57,625
  other v2: 763.92,1156.08 -1316.08,1373.58 -2321.08,1656.08 765,1965
Net3.3V_2: 3.3V.2 RL1.2 | length 191.6
  Top Layer w25: 3.3V.2@-2605,1505 -2565,1545 RL1.2@-2430,1545
Net5V_2: 5V.2 RL2.2 | length 369.7
  Top Layer w20: 5V.2@-2595,505 -2592.5,507.5 -2532.5,507.5 -2490,550 -2490,670 -2565,745 RL2.2 RL2.2@-2565,765
Net8V_2: 8V.2 RL3.2 | length 121.6
  Top Layer w20: RL3.2@350,1045 390,1085 8V.2@390,1150
Net24v_2: 24V.2 RL50.2 | length 221.7
  Top Layer w25: 24V.2@-2585,1750 -2560,1750 -2510,1800 RL50.2 -2420.69,1800.69 -2455.69,1800.69
NetC7_1: C7.1 R8.2 Y2.1 | length 1638.6
  Top Layer w10: R8.2 -2091.01,668.99 -2045,715 -1875,715 -1735,575 -1474.35,575 -1434.35,535 -1434.35,293.92 -1475,253.27 -1848.69,253.27 -1850,254.57 C7.1@-1850,260 ; Y2.1 -1890,310 -1862.31,282.32 -1862.31,276.73 -1860.58,275 C7.1@-1855,275 ; C7.1@-1855,265 C7.1@-1850,260 ; C7.1@-1850,265 C7.1@-1850,260
NetCM21_1: CM21.1 L3.2 L4.1 RN1.1 | length 1720.9
  Top Layer w25: 5,770 5,775
  Top Layer w50: -5,770 -5,575 88.23,481.77 197.13,481.77 CM21.1 ; -5,775 70,850 L4.1 ; L3.2@85.94,1065 85.94,1015.79 L4.1@237.36,864.37
  Bottom Layer w50: v1(-410,675) 5,675 CM21.1@190,490
NetCR2_1: CR2.1 CR3.1 DP1.1 DZ1.2 F2.2 Reg2.3 | length 720.6
  Top Layer w25: CR3.1@-1160,510 -1138.96,488.96 -1000.63,488.96 DZ1.2 ; CR3.1@-1135,515 -1136.95,516.95 -1136.95,631.95 CR2.1 ; CR2.1@-1130,645 -1133.35,648.35 -1133.35,755.55 F2.2 -1133.92,763.88 -1133.92,871.08 DP1.1@-1125,880 ; DP1.1@-1125,885 -1122.5,887.5 -1122.5,1037.5 Reg2.3
NetDM1_1: DM1.1 F1.2 | length 262.8
  Top Layer w100: F1.2 DM1.1@-405,1545
NetDM3_2: DM3.2 L3.1 REG1.2 | length 1257
  Top Layer w50: REG1.2 -791.93,686.93 v1(-770,665) ; L3.1@-295.94,1065 -295.94,700.43 -230,634.49 DM3.2 DM3.2@-230,615
  Bottom Layer w50: v1(-770,665) -770,655 -710,595 v1(-235,595)
NetF1_1: F1.1 J1.1 | length 153
  Top Layer w100: F1.1@-785,1555 -785,1642.4 J1.1@-738.62,1688.78
NetR5_2: R5.2 usb.2 | length 133.4
  Top Layer w10: usb.2@-1149.41,1955 -1149.41,1840.26 -1139.15,1830 R5.2@-1135,1830
NetR6_2: R6.2 usb.3 | length 144
  Top Layer w10: R6.2@-1205,1825 -1202.29,1825 -1196.49,1830.8 -1196.49,1833.51 -1175,1855 usb.3@-1175,1955
NetREG1_4: REG1.4 RN1.2 RN2.1 | length 530.8
  Top Layer w50: REG1.4 -655.71,863.35 -655.71,790.28 -655,789.57 -655,735 -525,605 RN1.2 ; RN2.1@-410,510 RN1.2 ; RN1.2@-405,605 RN1.2
OSCIN: C6.1 U1.5 Y2.2 | length 1270.2
  Top Layer w10: U1.5@-2198.53,1073.53 -2211.27,1060.79 -2295,977.06 -2295,819.95 -2182.78,707.72 -2182.78,627.35 -2074.92,519.5 C6.1 -2065.08,519.5 -2009.57,575 -1769.41,575 -1619.41,425 Y2.2@-1575,425
OSCOUT: R8.1 U1.6 | length 509.1
  Top Layer w10: U1.6@-2192.11,1052.11 -2197.35,1046.87 -2277.13,967.1 -2277.13,827.35 -2140,690.22 R8.1
RESET: C30.1 R3.2 RES.2 U1.7 | length 1470.3
  Top Layer w10: U1.7@-2174.47,1044.47 -2184.71,1034.23 -2259.25,959.69 -2259.25,834.75 -2114.6,690.1 -2095.18,690.1 -2052.4,732.87 -1833.4,732.87 -1771.28,670.75 -1604.84,670.75 RES.2 ; RES.2@-1585,660 -1581.73,656.73 -1464.78,656.73 -1457.97,649.92 C30.1 ; C30.1@-1465,640 C30.1@-1460,635 ; C30.1@-1455,650 -1455,652.89 -1442.44,665.45 -1442.44,863.49 -1443.27,864.31 -1443.27,939.2 -1450.08,946.01 R3.2
SWCLk: JLink.2 R15.2 U1.49 | length 649.8
  Top Layer w10: U1.49@-2060,1435 -2060,1465 -1827.74,1697.26 -1750.8,1697.26 R15.2@-1744.03,1704.03 ; R15.2@-1740,1700 -1740,1704.03 -1740,1717.91 -1734.56,1723.35 -1734.56,1859.57 JLink.2
SWIO: JLink.3 R16.1 U1.46 | length 640.9
  Top Layer w10: U1.46@-1924.51,1405 -1896.65,1432.86 -1896.65,1458.35 -1657.74,1697.26 -1610.85,1697.26 -1604.04,1704.07 R16.1 ; JLink.3 -1604.04,1889.91 -1604.04,1719.04 R16.1@-1600,1715
VBAT_m: U1.1
VCC: 5V.1 CM12.1 CM13.1 CM16.1 CM24.1 CM25.1 CM30.1 DP2.2 DZ11.2 F2.1 Max1.8 Max2.8 Max3.8 PM.5 R'15.2 R'18.2 R'19.2 R'22.2 R'30.2 R'33.2 REG.3 RT2.1 RT4.2 RT10.1 | length 14255.2
  Top Layer w10: Max2.8@925,785 Max2.8 960.82,785 967.11,791.29 967.11,811.81 1010.3,855 1130,855 1149.07,835.93 1149.07,785 1083.99,719.92 RT4.2
  Top Layer w20: RT2.1 1039.92,1356.01 1041.73,1354.2 1041.73,1318.51 1060,1300.24 v1@1060,1300
  Top Layer w25: PM.5@-2615,960 -2630,960 -2675.37,914.63 -2675.37,720.37 5V.1@-2604.45,649.45 ; v1(-1240,760) F2.1@-1240,772.8 ; R'33.2@-57.5,1627.5 3.43,1688.43 Max3.8 ; R'30.2 305.69,1350.69 CM30.1@305.69,1534.63 ; CM30.1@305,1535 316.4,1546.4 476.4,1546.4 480,1550 490.82,1550 530.82,1510 R'18.2 ; R'15.2 590,1815 680,1905 835,1905 CM25.1@895,1965 ; CM25.1@900,1965 907.89,1965 914.02,1958.88 914.02,1650.69 914.71,1650 Max1.8
  Top Layer w50: PM.5@-2610,960 -2604.01,960 -2568.22,924.21 -2491.38,924.21 DZ11.2 ; REG.3@-2144.53,1839.53 -2145,1840 -2145,1950 -1942.87,2152.13 -930.28,2152.13 -803.15,2025 -581.06,2025 -453.94,2152.13 ; -400,1990 -400,1970 ; R'33.2@-57.5,1627.5 -60,1630 -275,1630 -400,1755 -400,1970 ; RT10.1 443.62,1884.63 498.79,1884.63 663.87,2049.71 663.87,2091.13 610,2145 610,2150 ; R'22.2 620,1190 667.17,1237.17 857.83,1237.17 905,1190 ; v2(900,1970) 900,2080 895.49,2085.63 893.06,2088.68 880,2105 832.87,2152.13 -453.94,2152.13 ; CM12.1@910,1155 910,1085 ; 940,805 890,855 890,1065 910,1085 ; v1@1015,975 1015,980 910,1085 ; -453.94,2152.13 -405,2103.19 -405,1975 -400,1970
  Bottom Layer w20: v2(913.92,1151.08) 916.71,1151.08 1060,1294.37 v1(1060,1295)
  Bottom Layer w50: PM.5 -2610,970 -2497.01,857.01 -2497.01,498.91 -2388.55,390.45 -2008.88,390.45 -1754.66,644.66 -1360.34,644.66 -1250,755 500,755 v1(505,760) 540,725 775,725 v1@1020,970 ; v2@480,1550 620,1550 711.69,1641.69 766.69,1641.69 890,1765 890,1905 ; 890,1910 890,1905 ; v2@905,1160 905,1890.59 890.59,1905 890,1905 ; v2(913.92,1151.08) v2@919.42,1156.58
  other v1: 1015,970
  other v2: 475,1535
pads on no net: "CEL. " "CHA. " C13.0 CM12.0 CM16.0 CM25.0 CR3.0 CR5.0 J1.MH Reg2.0 REG.0 usb.1 Y3.3
copper on no net:
  other v3: -2295,675

## Polygon pours and split planes (outlines as drawn)
GND on Bottom Layer "Bottom Layer-GND" (solid, remove dead copper, pour order 2): -2675,1935 -2485,1935 -2485,1995 -2290,2190 1050,2190 1050,2100 1300,1850 1590,1850 1590,585 1205,585 1060,440 1060,240 1010,190 -2420,190 -2420,405 -2485,470 -2625,470 -2625,500 -2710,585 -2710,1900

## Keep-outs
Keep-Out Layer:
  the board outline again, w10

## Silkscreen, mask and mechanical layers (free items; w line width, h text height)
Top Overlay:
  drawing of 643 lines, arcs and shapes, not listed
  text "MBS" at -260,1900 h100
  text "B" at 115,1885 h80
  text "A" at 335,1885 h80
  text "V1.0D0003" at -485,1815 h100